# KiCad board motorgo_plink.kicad_pcb (continued)
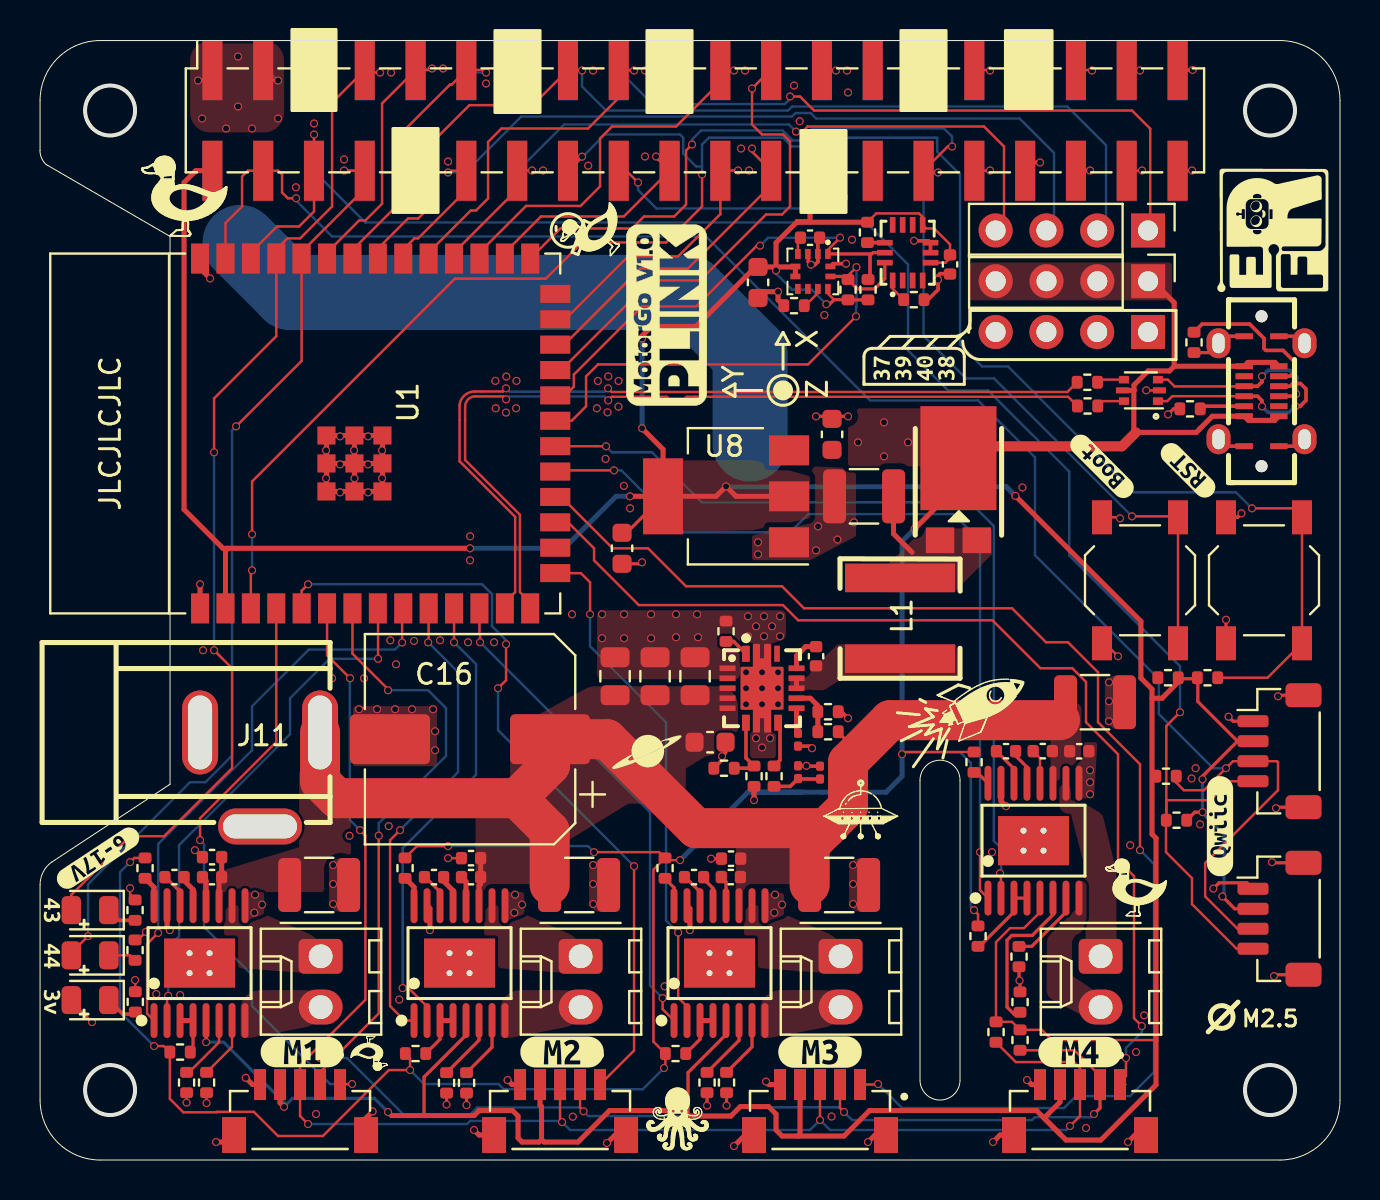
[diagram p0: board, top side]
## Nets
+3.3V: C25.1 C31.1 C32.1 D3.2 J4.2 J4.18 J13.2 J14.4 J15.2 J16.4 J18.4 J20.4 R8.1 R9.1 R30.1 R31.1 R32.1 R33.1 R38.1 R39.1 R50.2 U1.2 U3.5 U4.5 U5.5 U8.2 U9.5 U10.5 U10.6 U10.10 U11.5 U11.8
+5V: C24.1 D4.2 J1.A4 J1.A9 J1.B4 J1.B9 J4.1 J4.3 J7.2 J7.4 J12.1 J12.2 J12.3 J12.4 R10.1 R11.1 R12.1 R13.1 R14.1 R15.1 R36.1 R37.1 U2.5 U8.3
GND: C1.2 C2.2 C4.2 C6.2 C8.2 C10.2 C12.2 C14.2 C15.2 C16.2 C17.2 C18.2 C19.2 C20.2 C23.2 C24.2 C25.2 C27.2 C29.2 C30.1 C31.2 C32.2 J1.1 J1.2 J1.3 J1.4 J1.A1 J1.A12 J1.B1 J1.B12 J2.1 J3.2 J4.5 J4.10 J4.13 J4.19 J4.26 J4.29 J4.33 J4.40 J7.6 J7.9 J7.14 J7.20 J7.25 J7.30 J7.34 J7.39 J9.1 J9.2 J9.3 J9.4 J11.2 J13.1 J14.5 J14.S1 J14.S2 J15.1 J16.5 J16.S1 J16.S2 J18.5 J18.S1 J18.S2 J20.5 J20.S1 J20.S2 R1.2 R2.2 R3.2 R4.1 R5.1 R17.2 R18.2 R25.2 R46.2 R49.2 Rmode1.2 Rmode2.2 Rmode3.2 Rmode4.2 Rp1.2 Rp2.2 Rp3.2 Rp4.2 U1.1 U1.40 U1.41 U2.2 U3.9 U3.15 U3.17 U4.9 U4.15 U4.17 U5.9 U5.15 U5.17 U6.2 U6.3 U6.15 U8.1 U9.9 U9.15 U9.17 U10.2 U10.3 U10.12 U11.6 U11.7
+BATT: C2.1 C3.2 C4.1 C6.1 C7.2 C8.1 C10.1 C11.2 C12.1 C14.1 C15.1 C16.1 C17.1 C19.1 C26.2 C27.1 C29.1 J11.1 R16.1 U3.11 U4.11 U5.11 U6.4 U6.5 U6.6 U9.11
/connectors.enc1.cs: J14.1 U1.4
/connectors.enc2.cs: J16.1 U1.5
/connectors.enc3.cs: J18.1 U1.18
/connectors.enc4.cs: J20.1 U1.17
/connectors.enc_scl: J14.2 J16.2 J18.2 J20.2 R32.2 U1.7
/connectors.enc_sda: J14.3 J16.3 J18.3 J20.3 R33.2 U1.6
/i2c_1.scl: R39.2 U1.22 U10.1 U11.13
/i2c_1.sda: R38.2 U1.21 U10.11 U11.14
/motor_controls1/motor_out1: J8.1 U4.10
/motor_controls1/motor_out2: J8.2 U4.8
/motor_controls2/motor_out1: J6.1 U3.10
/motor_controls2/motor_out2: J6.2 U3.8
/motor_controls3/motor_out1: J10.1 U5.10
/motor_controls3/motor_out2: J10.2 U5.8
/motor_controls4/motor_out1: J22.1 U9.10
/motor_controls4/motor_out2: J22.2 U9.8
boot: J2.2 J4.30 J7.29 R8.2 U1.27
gpio21: J4.23 J7.24 U1.23
gpio35: J4.20 J7.19 U1.28
gpio36: J4.21 J7.22 U1.29
gpio37: J4.14 J5.4 J7.13 U1.30
gpio38: J4.17 J5.1 J7.18 U1.31
gpio39: J4.12 J5.3 J7.11 U1.32
gpio40: J4.15 J5.2 J7.16 U1.33
gpio41: J4.11 J7.12 U1.34
gpio42: J4.9 J7.10 U1.35
gpio43: D2.2 J4.7 J7.8 U1.37
gpio44: D1.2 J4.8 J7.7 U1.36
gpio47: J4.24 J7.23 U1.24
gpio48: J4.22 J7.21 U1.25
m1_EN: U1.9 U4.1
m1_PH: U1.8 U4.2
m2_EN: U1.10 U3.1
m2_PH: U1.11 U3.2
m3_EN: U1.12 U5.1
m3_PH: U1.15 U5.2
m4_EN: U1.19 U9.1
m4_PH: U1.20 U9.2
p26: J4.25 J7.26
p31: J4.32 J7.31
p32: J4.31 J7.32
p33: J4.34 J7.33
p35: J4.36 J7.35
p36: J4.35 J7.36
p37: J4.38 J7.37
p38: J4.37 J7.38
p40: J4.39 J7.40
reset: J3.1 J4.16 J7.15 R9.2 U1.3
scl: J4.6 J7.5 J13.4 J15.4 R31.2 U1.38
sda: J4.4 J7.3 J13.3 J15.3 R30.2 U1.39
usb_d+: R6.1 U1.14
usb_d-: R7.1 U1.13
Net-(C1-Pad1): C1.1 C20.1 R19.2
Net-(C22-Pad1): C22.1 L1.1 U6.11 U6.12
Net-(C23-Pad1): C23.1 D4.1 D4.3 L1.2 R24.1
Net-(D1-K): D1.1 R1.1
Net-(D2-K): D2.1 R2.1
Net-(D3-K): D3.1 R3.1
Net-(J1-CC1): J1.A5 R4.2
Net-(J1-CC2): J1.B5 R5.2
Net-(J1-DN1): J1.A7 J1.B7 U2.3
Net-(J1-DP1): J1.A6 J1.B6 U2.1
Net-(R6-Pad2): R6.2 U2.6
Net-(R7-Pad2): R7.2 U2.4
Net-(U3-CPH): C5.2 U3.13
Net-(U3-CPL): C5.1 U3.14
Net-(U3-IMODE): Rmode1.1 U3.7
Net-(U3-IPROPI): Rp1.1 U3.6
Net-(U3-nFAULT): R10.2 U3.3 U3.4
Net-(U3-PMODE): R11.2 U3.16
Net-(U3-VCP): C3.1 U3.12
Net-(U4-CPH): C9.2 U4.13
Net-(U4-CPL): C9.1 U4.14
Net-(U4-IMODE): Rmode2.1 U4.7
Net-(U4-IPROPI): Rp2.1 U4.6
Net-(U4-nFAULT): R12.2 U4.3 U4.4
Net-(U4-PMODE): R13.2 U4.16
Net-(U4-VCP): C7.1 U4.12
Net-(U5-CPH): C13.2 U5.13
Net-(U5-CPL): C13.1 U5.14
Net-(U5-IMODE): Rmode3.1 U5.7
Net-(U5-IPROPI): Rp3.1 U5.6
Net-(U5-nFAULT): R14.2 U5.3 U5.4
Net-(U5-PMODE): R15.2 U5.16
Net-(U5-VCP): C11.1 U5.12
Net-(U6-BOOT): C22.2 U6.13
Net-(U6-COMP): R19.1 U6.8
Net-(U6-EN): R16.2 R17.1 U6.10
Net-(U6-RT/CLK): R18.1 U6.1
Net-(U6-SS/TR): C18.1 U6.9
Net-(U6-VSENSE): R24.2 R25.1 U6.7
Net-(U9-CPH): C28.2 U9.13
Net-(U9-CPL): C28.1 U9.14
Net-(U9-IMODE): Rmode4.1 U9.7
Net-(U9-IPROPI): Rp4.1 U9.6
Net-(U9-nFAULT): R36.2 U9.3 U9.4
Net-(U9-PMODE): R37.2 U9.16
Net-(U9-VCP): C26.1 U9.12
Net-(U10-C1): C30.2 U10.4
Net-(U10-SD0/SA1): R46.1 U10.9
Net-(U11-CS): R50.1 U11.12
Net-(U11-SDO/SA0): R49.1 U11.1

Pads without a net: J1 A8 B8; J4 27 28; J7 1 17 27 28; J11 3; J13 MP; J15 MP; U1 16 26; U6 14; U10 7 8; U11 2 3 4 9 10 11

## Via types
v1: diameter 0.4, hole 0.3, Top to Bottom, 342 vias

## Routing (per net, layer and track width the routed paths; a pad name or vN(x,y) marks a point on that pad's centre or on a via; arc(x,y) is an arc through that point)
+3.3V: length 274.5
  Top w0.12: U10.6 U10.5 ; J4.18 29.32,49.49 v1(29.9,48.9) ; v1(36.8,44.5) 36.63,44.67 C32.1 ; v1(2.6,6.9) 1.57,7.94 D3.2 ; U10.10 39.4,43.35 39.7,43.04 ; 55.8,6 50.6,6 50.09,6.51 R32.1 48.6,6.91 R33.1 47.8,10.9 48.5,11.6 49.2,11.6 50,12.4 U9.5 ; 41.35,46.93 R50.2 41.82,47.35 43.96,47.35 44.14,47.17 U11.8 44.31,46.6 44.71,46.6 45.5,45.8 45.5,45.11 45.28,44.89 U11.5
  Top w0.16: v1(59.12,13.18) 59.74,12.57 J15.2 ; v1(8.31,5.9) 8.3,5.9 U4.5 ; v1(39.32,42.81) 39.48,42.81 39.7,43.04 40.39,43.04 R38.1 R39.1 ; U5.5 34.3,6.28 32.4,4.38 32.4,2.2 ; C25.1 29.33,31.38 U8.2 ; v1(58.13,19.05) 58.13,19.2 59.88,20.95 ; v1(58.13,17.4) 57.74,17.4 57.34,17 ; 56.94,24.08 57.89,24.08 57.89,22.94 59.88,20.95 ; 59.88,20.95 J13.2 ; 19.2,2.22 19.2,4.16 21.3,6.25 U3.5
  Top w0.25: U8.2 v1(29.5,33.2) ; U8.2 31.15,35.55 v1(30.1,36.6) ; U8.2 33.8,33.2 v1(34.3,33.7) 34.8,33.2 U8.2 ; 9.4,30.6 v1(21.5,30.6) ; 9.4,30.6 9.27,30.47 U1.2 ; 9.4,30.6 9.14,30.6 7.2,32.54 7.2,48.9 7.79,49.49 J4.2 ; 37.86,46.94 38.5,46.94 v1(38.5,47.58) ; 37.86,46.94 36.8,45.88 v1(36.8,44.5) ; 37.86,46.94 37.89,46.91 R50.2 ; v1(48.77,33.22) 55.05,26.95 55.05,24.11 55.6,23.55 55.6,16.3 55.8,16.1 55.8,3.76 53.04,1 51.3,1 51,1.3 ; v1(12.2,2.66) 12,2.86 J14.4 ; U10.6 37.77,44.67 C32.1 35.78,44.67 32.8,41.7 30.58,41.7 30.1,41.22 v1(30.1,41.1) ; 51,1.3 50.2,2.1 51,2.9 J20.4 ; 51,1.3 49.83,2.47 41.48,2.47 40.2,1.2 37.9,1.2 ; 25.08,1.03 25.08,2.67 25,2.75 J16.4 ; 25.08,1.03 24.95,0.9 24.1,0.9 23.9,1.1 23.9,2.2 23.63,2.47 21.95,2.47 21.7,2.22 17.58,2.22 v1(17.4,2.4) ; 25.08,1.03 25.2,0.9 26.9,0.9 28.48,2.47 32.13,2.47 32.4,2.2 34.55,2.2 35.02,2.67 36.43,2.67 36.8,2.3 36.8,1.5 37.1,1.2 37.9,1.2 ; 37.9,1.2 38,1.3 J18.4 ; 55.6,23.1 56.1,23.1 56.91,23.91 R8.1
  In2.Cu w0.12: v1(2.6,6.9) 4.5,6.9 5.22,6.18 8.02,6.18 v1(8.31,5.9)
  Bottom w0.12: v1(39.32,42.81) 38.59,43.54 37.6,43.54 36.8,44.34 v1(36.8,44.5) ; v1(29.9,48.9) 29.9,48.52 30.82,47.6 38.49,47.6 v1(38.5,47.58)
  Bottom w0.16: v1(8.31,5.9) 9.18,5.9 12.2,2.87 v1(12.2,2.66) 12.63,3.09 16.72,3.09 v1(17.4,2.4) ; v1(58.13,19.05) v1(58.13,17.4) 58.13,17.35 59.2,16.28 59.2,13.27 v1(59.12,13.18)
  Bottom w0.25: v1(34.3,33.7) 34.32,33.68 48.31,33.68 v1(48.77,33.22) ; v1(29.5,33.2) 28.8,33.2 26.2,30.6 v1(21.5,30.6) ; v1(30.1,36.6) v1(30.1,41.1)
+5V: length 185.3
  Top w0.12: R11.1 18.84,15.7 v1(20.4,15.7) ; v1(46.7,12.5) 46.9,12.3 R36.1 ; R15.1 31.36,15 v1(32,15) ; R15.1 30.67,14.53 30.67,5.92 31.27,5.33 31.27,4.67 v1(31.2,4.6) ; R15.1 30.96,15.4 v1(27.7,15.4) ; J4.3 11.69,54 v1(11.9,54) ; R13.1 4.71,15.11 v1(4.5,14.9) ; R10.1 18.5,5.09 v1(18.5,4.5) 17.44,4.5 14.14,1.2 11.9,1.2 10.69,2.41 8.84,2.41 8.82,2.39 7.16,2.39 6.49,3.06 R12.1 6.19,5.7 v1(5.7,5.7) ; R37.1 43.21,20.41 v1(43.1,20.3) ; J4.1 8.09,54 v1(7.9,54)
  Top w0.25: v1(43.73,31.57) 45.92,33.77 D4.2 ; 54.7,38.5 U2.5 ; 54.7,38.5 54.7,38.77 55.41,39.47 56.47,39.47 56.71,39.71 ; 54.7,38.5 54.7,38.49 54.7,36.5 54.8,36.4 57.82,36.4 58,36.58 58,36.59 58.62,37.21 J1.A4 60.42,37 61.74,37 J1.B9 ; J1.B4 61.75,39.9 60.41,39.9 J1.A9 56.71,39.71 ; 56.71,39.71 56.71,42.89 56.06,43.54 55.41,43.54 ; v1(35.7,18) 35.7,18.69
  Top w0.5: 46.4,35.31 46.79,35.7 54.1,35.7 54.8,36.4
  Bottom w0.12: J7.4 11.4,54.5 v1(11.9,54) ; v1(27.7,15.4) 27.4,15.7 v1(20.4,15.7) ; 8.61,54.52 8.09,54 v1(7.9,54) ; v1(4.5,14.9) 4,14.4 4,7.4 v1(5.7,5.7) ; v1(18.5,4.5) 19.2,3.8 22.93,3.8 23.19,3.54 30.14,3.54 v1(31.2,4.6) ; v1(43.1,20.3) 43.2,20.4 46,20.4 46.54,19.86 46.54,12.66 v1(46.7,12.5)
  Bottom w0.25: v1(35.7,18) 35.7,18.4 38.1,18.4 ; 38.1,18.4 42.3,18.4 43.1,19.2 v1(43.1,20.3) 43.1,30.95 v1(43.73,31.57) ; 38.1,18.4 35.4,18.4 v1(32,15)
  Bottom w3.75: 35.5,35.8 35.5,40.3 32.43,43.38 30.26,43.38 30.24,43.4 12.5,43.4 10,45.9
  vias: v1(8.1,52.1) v1(9.3,51.6) v1(9.9,55.2) v1(9.9,52.7) v1(10.6,51.6) v1(11.9,52.1) v1(40.9,35.9) v1(42.2,36.9) v1(42.2,35.2) v1(43.4,35.9)
GND: length 100.2
  Top w0.12: J4.40 57.59,49.49 v1(57.6,49.5) ; v1(24.6,54.5) 24.58,54.53 J4.13 ; v1(4.75,9) 4.77,8.99 R3.2 ; v1(7.74,15.5) 8.1,15.15 C8.2 ; v1(19,51.2) 19,49.71 J4.10 ; v1(45,54.4) 44.31,54.4 J4.29 ; v1(53.9,25.2) 53.25,25.85 J2.1 ; U2.2 55.32,38.5 v1(55.32,38.5) ; v1(4.5,13.6) 4.5,13.26 R2.2 ; v1(14.5,54.5) 14.48,54.53 J4.5 ; C4.2 v1(20.4,15.1) ; Rmode2.2 v1(8.33,2.85) ; v1(50,54.5) 49.98,54.53 J4.33 ; J2.1 53.95,32.15 v1(54,32.1) ; J4.19 32.18,54.53 v1(32.2,54.5) ; v1(5.29,11.41) 4.89,11.01 R1.2 ; v1(7.33,2.88) Rp2.2
  Top w0.16: v1(60.08,32.35) 59.88,32.15 J3.2 ; J3.2 v1(59.3,27.03) ; v1(61.6,14.9) 61.64,14.87 63.18,14.87 ; v1(61.7,9.2) 61.77,9.27 63.18,9.27 ; C12.2 v1(33.55,15.08) ; v1(56.4,37.3) 56.68,37.58 R4.1 ; J15.1 60.35,13.87 58.96,13.87 v1(58.67,13.58) ; 49,8.31 49,8.95 v1(48.98,8.97) 48.95,9 Rmode4.2 ; 63.18,17.65 61.85,17.65 v1(61.8,17.6) ; C25.2 30.03,29.83 v1(30.1,29.9) ; v1(40.4,37.2) 39.83,37.2 39.6,36.97 39.38,37.2 v1(38.8,37.2) ; v1(40.2,48.15) 39.1,48.15 J4.26 ; R5.1 58.46,40.39 J1.3 ; v1(20.33,2.78) Rp1.2 ; v1(59.43,22.17) 59.65,21.95 J13.1 ; 63.18,23.25 61.95,23.25 v1(61.9,23.2) ; v1(21.33,2.75) Rmode1.2 ; Rp3.2 v1(33.35,2.72) ; Rmode3.2 v1(34.33,2.72)
  Top w0.18: J1.A12 59.28,41.21 J1.3 ; R25.2 34.1,20.01 v1(34.1,20.2) 34.28,20.38 C17.2 ; 45.66,44.31 45.63,44.34 45,44.34 44.9,44.24 v1(44.9,44.04) 44.9,43.54 44.4,43.04 R49.2 ; v1(40.4,22.1) 40.08,22.42 R17.2 ; J1.1 59.28,35.71 J1.A1 ; C20.2 v1(38.32,19.72) 38.34,19.7 C1.2 ; C18.2 38.5,20.7 v1(38.6,20.6) ; C30.1 38.9,46.05 U10.2 38.9,44.93 38.75,44.79 v1(38.55,44.79) 38.41,44.93 38.41,45.31 U10.3 ; U10.12 39.66,44.84 v1(40.3,44.84) ; 37.2,42.84 37.2,42.75 R46.2 ; J1.B12 62.88,35.71 J1.2 ; v1(43.7,45.98) 44.43,45.98 U11.7 U11.6 ; J1.B1 62.88,41.21 J1.4
  Top w0.25: J16.S2 21.95,1.25 v1(21.7,1.5) ; U1.41 U1.41 U1.41 ; U1.41 U1.41 U1.41 U1.41 ; U1.41 U1.41 U1.41 ; J14.5 10.63,3.78 v1(10.29,4.11) ; J18.S1 41.75,1.25 v1(41.4,0.9) ; v1(28.35,0.85) 28.75,1.25 J16.S1 ; J20.S2 48,1.25 v1(47.65,0.9) ; J20.5 49.58,3.78 v1(49.35,4) ; J14.S1 16.3,2.1 v1(16.63,2.43) ; U5.15 32.5,12.58 v1(32.5,11.5) ; v1(6.49,11.5) 6.35,11.64 U4.15 ; v1(36.3,3.92) 36.45,3.78 J18.5 ; v1(8.8,0.9) 9.35,0.9 J14.S2 ; v1(54.4,0.9) 54.75,1.25 J20.S1 ; v1(23.38,4) 23.6,3.78 J16.5 ; U9.15 48.05,17.95 v1(48.3,17.7) ; v1(8.5,44.1) 8,44.6 U1.40 ; v1(19.5,11.5) 19.5,12.58 U3.15 ; R46.2 36.9,43.03 v1(36.9,43.44) 36.22,43.44 C32.2 ; J18.S2 35.25,1.25 v1(34.7,0.7) ; U1.1 v1(8,28.8) ; U1.41 U1.41
  Bottom w0.12: v1(50,54.5) 49.98,54.52 49.25,54.52 ; J7.30 44.9,54.5 v1(45,54.4) ; 56.87,49.48 57.58,49.48 v1(57.6,49.5) ; 39.09,49.48 39.11,49.5 39.9,49.5 ; 31.47,54.52 32.18,54.52 v1(32.2,54.5) ; v1(14.5,54.5) J7.6 ; 18.77,49.48 19,49.71 v1(19,51.2) ; v1(24.6,54.5) 24.58,54.52 23.85,54.52
  vias: v1(5.81,8.3) v1(7.01,8.25) v1(8.15,25.5) v1(10.75,13.28) v1(10.72,12.38) v1(11.1,12.78) v1(12.8,48.66) v1(13.7,51.85) v1(13.8,2.3) v1(14,5.1) v1(14.3,35.5) v1(14.3,34.1) v1(14.6,24.1) v1(14.66,14.76) v1(14.66,13.81) v1(14.66,12.81) v1(15,36.2) v1(15,34.8) v1(15,33.4) v1(15.2,50.05) v1(15.47,16.22) v1(15.7,35.5) v1(15.72,34.1) v1(15.95,22.55) v1(16.2,24.1) v1(16.4,36.2) v1(16.4,34.8) v1(16.4,33.4) v1(16.85,22.55) v1(17.1,35.5) v1(17.1,34.1) v1(17.44,16.7) v1(17.52,26) v1(17.55,54.4) v1(17.75,22.55) v1(17.8,24.8) v1(17.96,8.02) v1(18.6,22.55) v1(18.7,25.97) v1(19.65,22.55) v1(19.75,21.45) v1(19.75,20.5) v1(20,26) v1(20.15,54.6) v1(20.4,49.95) v1(21.4,25.9) v1(21.51,31.2) v1(21.5,30) v1(22.3,53.85) v1(22.7,25.9) v1(22.77,38.98) v1(22.79,37.61) v1(23.32,39.19) v1(23.3,37.39) v1(23.75,13.28) v1(23.72,12.38) v1(23.82,38.98) v1(23.81,37.61) v1(24.1,12.78) v1(25.15,49.5) v1(26.6,27.3) v1(26.64,2.17) v1(27.41,49.74) v1(27.65,54.5) v1(27.66,14.76) v1(27.66,13.81) v1(27.66,12.81) v1(27.85,37.6) v1(27.9,38.97) v1(28.1,27.3) v1(28.1,26.1) v1(28.28,35.07) v1(28.42,39.2) v1(28.38,37.4) v1(28.93,38.97) v1(28.92,37.69) v1(29.2,33.72) v1(29.2,27.3) v1(29.2,26.1) v1(29.55,41.1) v1(29.5,32.6) v1(30.25,50.2) v1(30.25,54.5) v1(30.55,27.3) v1(30.55,26.1) v1(30.65,41.1) v1(31.23,8.69) v1(31.8,27.3) v1(31.8,26.15) v1(32.85,27.3) v1(32.9,26.15) v1(35.05,50.6) v1(35.25,54.5) v1(35.3,24.4) v1(35.3,23.6) v1(35.3,22.8) v1(35.4,27.2) v1(35.4,26.2) v1(35.45,49.5) v1(35.8,26.7) v1(35.8,21.1) v1(35.9,30.9) v1(35.9,30.3) v1(36.1,24.4) v1(36.1,23.6) v1(36.1,22.8) v1(36.1,20.64) v1(36.2,27.2) v1(36.2,26.2) v1(36.5,21.1) v1(36.6,26.7) v1(36.75,13.28) v1(36.72,12.38) v1(36.9,24.4) v1(36.9,23.6) v1(36.9,22.8) v1(37,27.2) v1(37,26.2) v1(37.1,12.78) v1(37.7,53.75) v1(37.99,51.96) v1(38.8,30.5) v1(38.9,31.7) v1(39.22,42.27) v1(39.58,2.18) v1(39.88,31.04) v1(40.35,54.5) v1(40.4,53.4) v1(40.6,46.04) v1(40.7,31.9) v1(40.66,14.76) v1(40.66,13.81) v1(40.66,12.81) v1(47.6,15.4) v1(49.13,33.64) v1(52.3,1.6) v1(52.5,19.5) v1(52.5,18.9) v1(52.5,18.3) v1(53.45,23.9) v1(53.45,22.95) v1(53.45,21.95) v1(54.51,15.75) v1(54.8,5.4) v1(55.21,7.24) v1(57.58,19.09) v1(57.78,19.6) v1(58.01,16.79)
+BATT: length 61.6
  Top w0.16: R16.1 39.91,21.39 40.9,20.4
  Top w0.25: C4.1 22.03,13.81 21.95,13.72 U3.11 ; 8.93,14.15 8.95,14.13 U4.11 ; C8.1 C7.2
  Top w2: 23.85,18.1 14.85,18.1 14,18.94 J11.1 ; 23.85,18.1 25.5,19.75 C16.1 28.35,21.05 32.8,16.6 39.31,16.6 ; 23.85,18.1 25.48,16.47 C6.1 ; 39.31,16.6 40.4,17.69 40.4,19.9 42.5,22 51,22 ; 39.31,16.6 38.48,15.77 C14.1
/connectors.enc1.cs: length 29.8
  Top w0.12: v1(8,16) 8,17.1 11.81,20.91 U1.4 ; v1(15.6,3.8) 15.03,3.8 J14.1
  Bottom w0.12: v1(8,16) 8.2,15.8 8.2,11.66 10.6,9.26 10.6,7.7 14.5,3.8 v1(15.6,3.8)
/connectors.enc2.cs: length 39.2
  Top w0.12: v1(29.7,14.7) 29.7,5.47 J16.1 ; v1(22.9,23.6) 23.3,24 v1(23.3,25.8) ; v1(13.4,28.8) 13.08,28.48 U1.5
  Bottom w0.12: v1(22.9,23.6) 22.9,21.5 v1(29.7,14.7) ; v1(13.4,28.8) 22.1,28.8 22.6,28.3 22.6,26.7 23.3,26 v1(23.3,25.8)
/connectors.enc3.cs: length 67.9
  Top w0.12: J18.1 41.88,3.78 v1(41.9,3.8) ; v1(55,15.5) 55,19.8 52.9,21.9 52.9,24.4 51.4,25.9 50.3,25.9 48.6,27.6 38.2,27.6 37.1,28.7 32.3,28.7 30.4,30.6 28.63,30.6 26.06,33.17 U1.18
  Bottom w0.12: v1(55,15.5) 55.7,14.8 55.7,4.4 54.5,3.2 51.8,3.2 51.2,2.6 43.1,2.6 v1(41.9,3.8)
/connectors.enc4.cs: length 52.2
  Top w0.12: v1(54.3,5.1) 54.3,4.2 54,3.9 J20.1 54.28,3.78 ; U1.17 26.41,31.9 27.7,30.6 27.7,30 29.94,27.76 37.15,27.76 37.91,27 47.62,27 50.02,24.6 51.62,24.6 52.3,23.92 52.3,21.9 53.9,20.3 53.9,15 54.7,14.2 54.7,7.09 v1(55.1,6.7)
  Bottom w0.12: v1(55.1,6.7) 55.1,6.39 54.3,5.6 v1(54.3,5.1)
/connectors.enc_scl: length 79
  Top w0.12: R32.2 51.72,5.49 53,4.21 J20.2 ; v1(27.18,2.44) 27,2.61 J16.2 ; U1.7 15.62,25.33 17.4,23.55 v1(17.4,23.5) ; J18.2 40,2.6 v1(40.2,2.4) ; J14.2 14,4.4 v1(14.7,5.1) 16.94,7.34 v1(16.94,16.23)
  Top w0.16: v1(52.7,2.3) 53,2.6 J20.2
  Bottom w0.12: v1(17.4,23.5) 19.4,23.5 20.3,22.6 20.3,20.22 16.94,16.85 v1(16.94,16.23) ; v1(52.7,2.3) 52.54,2.14 49.74,2.14 49.6,2 40.6,2 v1(40.2,2.4) 39.97,2.64 34.89,2.64 34.45,2.2 27.41,2.2 v1(27.18,2.44) 26.99,2.63 21.86,2.63 21.52,2.29 18.16,2.29 15.35,5.1 v1(14.7,5.1)
/connectors.enc_sda: length 78.5
  Top w0.12: U1.6 14.35,25.25 v1(15.5,24.1) ; v1(51.5,1.7) 52,2.2 J20.3 52,4.6 51.7,4.9 48.79,4.9 R33.2 ; J16.3 26,2 v1(26.1,1.9) ; v1(16,16.5) 16.27,16.24 16.27,8.01 13,4.75 J14.3 13,2.2 v1(13.4,1.8) ; v1(39,2) J18.3
  Bottom w0.12: v1(15.5,24.1) 15.49,24.09 15.49,17.01 v1(16,16.5) ; v1(51.5,1.7) 51.3,1.5 39.5,1.5 v1(39,2) 38.5,1.5 26.5,1.5 v1(26.1,1.9) 26.04,1.96 21.51,1.96 21.35,1.8 v1(13.4,1.8)
/i2c_1.scl: length 24.2
  Top w0.12: U10.1 39.4,45.53 v1(40,46.14) ; v1(36,45.74) 35.84,45.74 32.8,42.7 30.1,42.7 26.69,39.29 26.69,38.69 26.25,38.25 U1.22
  Top w0.16: 41.5,44.15 41.5,45.32 U10.1 ; 41.5,44.15 41.5,45.24 41.65,45.39 U11.13 ; 41.5,44.15 R39.2
  Bottom w0.12: v1(40,46.14) 36.4,46.14 v1(36,45.74)
/i2c_1.sda: length 25.3
  Top w0.12: R38.2 40.4,44.24 v1(40.83,44.66) ; U1.21 26.58,36.98 27.3,37.7 27.3,39.2 27.9,39.8 38.4,39.8 v1(40.8,42.2)
  Top w0.16: U11.14 42.24,44.09 41.73,43.58 40.87,43.58 R38.2 40.25,44.2 U10.11
  Bottom w0.12: v1(40.83,44.66) 40.83,42.68 40.8,42.66 v1(40.8,42.2)
/motor_controls1/motor_out1: length 0.1
  Top w0.25: J8.1 14.03,10.07
boot: length 61.1
  Top w0.12: v1(45.6,50.7) 45.39,50.7 J4.30 ; v1(32.6,50.8) 32.3,50.5 32.3,47.79 31.71,47.2 30.2,47.2 29.6,46.6 26.02,46.6 U1.27 ; J2.2 J2.2 56.85,32.2 v1(54.6,32.2)
  Top w0.18: J4.30 44.27,49.4 v1(44.9,49.4)
  Bottom w0.12: v1(32.6,50.8) 32.6,51.05 33.05,51.5 37.13,51.5 37.63,51 38.02,51 38.62,51.6 45.2,51.6 45.6,51.2 v1(45.6,50.7) ; v1(54.6,32.2) 47.7,39.1 46.3,39.1 44.18,41.22 J7.29
  Bottom w0.18: 44.17,49.48 44.25,49.4 v1(44.9,49.4)
gpio21: length 25.1
  Top w0.12: J4.23 36.53,54.53 v1(35.6,53.6) 35.6,51.8 36.1,51.3 37.16,51.3 37.5,50.95 37.5,47.7 37.1,47.3 36.3,47.3 33,44 30.55,44 26.06,39.52 25.76,39.52
  Bottom w0.12: v1(35.6,53.6) 36.5,54.5 J7.24
gpio35: length 12.2
  Top w0.12: U1.28 23.24,45.39 25.05,47.2 29.19,47.2 J4.20 30.8,50.16 v1(30.8,50.2)
  Bottom w0.12: v1(30.8,50.2) 30.8,50.14 J7.19
gpio36: length 19.3
  Top w0.12: U1.29 21.97,45.39 24.31,47.73 27.03,47.73 28,48.7 28,51.1 28.6,51.7 31.8,51.7 34.02,53.91 J4.21 34.68,54.53 v1(34.7,54.5)
  Bottom w0.12: v1(34.7,54.5) J7.22
gpio37: length 38.4
  Top w0.12: v1(24.6,49.5) 24.59,49.49 J4.14 23.86,48.55 20.7,45.39 U1.30 ; v1(37.8,51.45) 38.13,51.45 38.38,51.7 47.2,51.7 48.2,50.7 48.2,46.92 J5.4 47.78,46.1
  Bottom w0.12: 47.78,46.1 J5.4 ; v1(24.6,49.5) 23.9,49.5 J7.13 26.2,51.8 37.45,51.8 v1(37.8,51.45)
gpio38: length 51.3
  Top w0.12: v1(29.7,54.5) 29.68,54.53 J4.17 28.94,53.13 27.4,51.6 23.08,51.6 22.4,50.93 22.4,48.1 21.8,47.5 21.54,47.5 19.43,45.39 U1.31 ; v1(37.5,53.2) 38,53.2 38.7,52.5 54.6,52.5 55.51,51.59 55.51,46.61 J5.1 55.4,46.1
  Bottom w0.12: v1(29.7,54.5) J7.18 30.62,52.82 37.24,52.82 37.5,53.08 v1(37.5,53.2)
gpio39: length 43.6
  Top w0.12: U1.32 18.16,45.54 18.72,46.1 18.91,46.1 21.32,48.51 J4.12 20.49,49.49 v1(20.4,49.4)
  Bottom w0.12: v1(20.4,49.4) 21.26,49.4 J7.11 24.06,52.2 37.6,52.2 37.78,52.37 38.53,52.37 38.8,52.1 48.98,52.1 50.7,50.38 50.7,46.48 50.32,46.1
gpio40: length 50.2
  Top w0.12: U1.33 16.89,45.59 18.4,47.1 18.91,47.1 19.6,47.79 19.6,50.9 21.47,52.77 24.64,52.77 J4.15 27.08,54.53 v1(27.1,54.5)
  Bottom w0.12: J7.16 v1(27.1,54.5) 27.1,53.7 28.3,52.5 37.4,52.5 37.6,52.7 51.36,52.7 53.3,50.76 53.3,46.94 J5.2 52.86,46.1
gpio41: length 13.9
  Top w0.12: U1.34 15.62,45.52 18.02,47.91 18.02,51.31 20.5,53.8 20.59,53.8 J4.11 22.18,54.53 v1(22.3,54.4)
  Bottom w0.12: J7.12 21.42,54.4 v1(22.3,54.4)
gpio42: length 13.2
  Top w0.12: U1.35 14.35,45.39 15.96,47 16.27,47 17.1,47.83 17.1,52.85 J4.9 19.53,54.53 v1(19.6,54.6)
  Bottom w0.12: v1(19.6,54.6) 18.88,54.6 J7.10
gpio43: length 51.8
  Top w0.12: v1(8.7,25.5) 9.6,24.6 9.6,19.6 6.2,16.2 4.5,16.2 1.57,13.26 D2.2 ; v1(17,54.4) 16.37,54.4 J4.7 14.6,52.89 14.6,47.7 13.01,46.1 12.37,46.1 11.81,45.54 U1.37 11.81,41.21 8.7,38.1 v1(8.7,35.4)
  Bottom w0.12: J7.8 16.34,54.4 v1(17,54.4) ; v1(8.7,25.5) v1(8.7,35.4)
gpio44: length 47.9
  Top w0.12: v1(9.8,36.7) 13.08,39.98 U1.36 13.08,45.43 16.24,48.58 J4.8 15.22,49.49 v1(15.2,49.5) ; 1.57,10.36 v1(2.4,11.2)
  Top w0.16: D1.2 1.57,10.36
  Bottom w0.12: J7.7 16.2,49.5 v1(15.2,49.5) ; v1(2.4,11.2) 2.4,13.8 7.5,18.9 8.27,18.9 9.6,20.23 9.6,36.5 v1(9.8,36.7)
gpio47: length 17.9
  Top w0.12: v1(35.6,50.6) 35.6,50.44 J4.24 36.56,48.75 32.4,44.6 30.03,44.6 26.21,40.79 U1.24
  Bottom w0.12: J7.23 35.6,50.42 v1(35.6,50.6)
gpio48: length 14.4
  Top w0.12: v1(34.9,49.5) 34.03,49.5 J4.22 34.02,47.31 31.9,45.2 29.4,45.2 26.26,42.06 U1.25
  Bottom w0.12: J7.21 34.06,49.5 v1(34.9,49.5)
m1_EN: length 28.6
  Top w0.12: U1.9 18.11,27.54 v1(18.11,25.89) ; U4.1 5.35,7.33 5.35,10.81 v1(5.91,11.36)
  Bottom w0.12: v1(18.11,25.89) 17.75,25.54 13.44,25.54 10.6,22.7 10.6,20.5 5.91,15.8 v1(5.91,11.36)
m1_PH: length 26.4
  Top w0.12: U4.2 6.35,8.16 v1(6.41,8.21) ; v1(16.9,25.08) 16.9,27.58 U1.8
  Bottom w0.12: v1(16.9,25.08) 14.48,25.08 12.5,23.1 12.5,21.3 6.95,15.75 6.95,11.19 6.41,10.65 v1(6.41,8.21)
m2_EN: length 23.4
  Top w0.12: U3.1 18.23,6.98 17.5,7.7 17.5,16 v1(18,16.5) ; U1.10 19.43,25.92 v1(19.41,25.9)
  Bottom w0.12: v1(19.41,25.9) 20.9,24.41 20.9,19.4 v1(18,16.5)
m2_PH: length 23.3
  Top w0.12: U3.2 19.35,7.68 18.43,8.6 v1(18.13,8.6) ; v1(20.7,25.9) U1.11
  Bottom w0.12: v1(20.7,25.9) 21.8,24.8 21.8,19.27 18.13,15.6 v1(18.13,8.6)
m3_EN: length 24.6
  Top w0.12: v1(22,25.9) 22,26.3 21.97,26.33 U1.12 ; U5.1 31.13,7.55 v1(31.13,8.1)
  Bottom w0.12: v1(31.13,8.1) 30.5,8.73 30.5,17.4 v1(22,25.9)
m3_PH: length 25.9
  Top w0.12: U1.15 27.05,29.36 27.5,28.9 v1(27.5,27.3) ; U5.2 32.35,7.68 31.91,8.12 v1(31.91,11.38)
  Bottom w0.12: v1(31.91,11.38) 31.3,11.99 31.3,21.9 27.5,25.7 v1(27.5,27.3)
m4_EN: length 41.5
  Top w0.12: U9.1 47,13.5 v1(47,15.4) ; U1.19 25.83,34.5 v1(28.7,34.5)
  Bottom w0.12: v1(28.7,34.5) 29.07,34.5 32.17,31.4 37.5,31.4 38.41,32.31 45.67,32.31 47,30.98 v1(47,15.4)
m4_PH: length 42.4
  Top w0.12: v1(28.3,35.7) 28.3,35.71 U1.20 ; U9.2 48.05,14.3 v1(48,14.34)
  Bottom w0.12: v1(28.3,35.7) 28.6,35.4 30.6,35.4 33.1,32.9 46.5,32.9 47.69,31.71 47.69,15.96 48.06,15.59 48.06,14.4 v1(48,14.34)
p26: length 1.4
  Top w0.12: v1(39.8,54.5) 39.78,54.53 J4.25
  Bottom w0.12: 39.09,54.52 39.78,54.52 v1(39.8,54.5)
p31: length 1.6
  Top w0.12: v1(47.5,49.5) 47.49,49.49 J4.32
  Bottom w0.12: v1(47.5,49.5) 46.73,49.5 46.71,49.48
p32: length 1.6
  Top w0.12: v1(47.5,54.5) 47.48,54.53 J4.31
  Bottom w0.12: 46.71,54.52 47.48,54.52 v1(47.5,54.5)
p33: length 1.8
  Top w0.18: v1(50,49.9) 49.67,49.9 J4.34
  Bottom w0.18: v1(50,49.9) 49.67,49.9 49.25,49.48
p35: length 1.4
  Top w0.12: v1(52.5,49.5) 52.49,49.49 J4.36
  Bottom w0.12: v1(52.5,49.5) 51.81,49.5 51.79,49.48
p36: length 1.6
  Top w0.12: J4.35 52.58,54.53 v1(52.6,54.5)
  Bottom w0.12: v1(52.6,54.5) 52.58,54.52 51.79,54.52
p37: length 1.5
  Top w0.12: v1(55.1,49.5) 55.09,49.49 J4.38
  Bottom w0.12: v1(55.1,49.5) 55.08,49.48 54.33,49.48
p38: length 1.4
  Top w0.12: J4.37 54.98,54.53 v1(55,54.5)
  Bottom w0.12: 54.33,54.52 54.98,54.52 v1(55,54.5)
p40: length 1.5
  Top w0.18: v1(57.63,54.53) J4.39
  Bottom w0.18: 56.87,54.52 56.88,54.53 v1(57.63,54.53)
reset: length 102.3
  Top w0.12: U1.3 10.54,29.44 v1(10.6,29.5) ; v1(60.6,32.6) 62.65,32.6 J3.1 J3.1 61.38,24.12 R9.2 ; v1(10.6,31.3) 10.6,33.94 20.74,44.08 25.29,44.08 27.1,45.9 31.3,45.9 33.1,47.7 v1(33.1,49.3)
  Top w0.16: v1(27.1,50.19) J4.16
  Bottom w0.12: 33.1,49.7 33.1,50.8 33.44,51.14 37.15,51.14 37.59,50.7 38.06,50.7 38.5,51.14 44.86,51.14 44.86,50.44 46,49.3 46,40.8 47.1,39.7 48.4,39.7 54.7,33.4 59.8,33.4 v1(60.6,32.6) ; 33.1,49.7 v1(33.1,49.3) ; 33.1,49.7 32.8,49.7 32.16,50.34 32.16,51.14 32,51.3 28.24,51.3 J7.15 ; v1(10.6,31.3) v1(10.6,29.5)
scl: length 91
  Top w0.12: v1(57,22.4) 56.32,21.72 R31.2 ; R31.2 56.32,18 58.53,18 59.48,18.95 J13.4 ; R31.2 56.3,16.98 56.3,15.4 57.6,14.1 57.6,12.8 59.84,10.57 J15.4 ; U1.38 10.54,45.39 11.85,46.7 12.95,46.7 13.7,47.45 v1(13.7,51.3)
  Bottom w0.12: J7.5 16.26,46.9 41.3,46.9 43.4,44.8 43.4,40.5 45.4,38.5 47.4,38.5 51.47,34.44 51.47,30.24 57,24.7 v1(57,22.4) ; 13.69,49.48 13.69,51.29 v1(13.7,51.3)
sda: length 88.1
  Top w0.12: R30.2 56.81,18.88 57.19,18.5 58.2,18.5 v1(59.3,19.6) 59.65,19.95 J13.3 61.85,19.95 61.9,19.9 61.9,18.5 58.26,14.86 58.26,13.19 59.88,11.57 J15.3 ; U1.39 9.27,46.87 10.1,47.7 10.1,49.2 10.39,49.49 J4.4 ; 11.16,49.47 J4.4 ; J4.4 11.92,49.49 12.1,49.3 12.1,48.4 12.39,48.11 v1(12.81,48.11)
  Bottom w0.12: v1(12.81,48.11) 12.81,48 14.6,46.2 33.3,46.2 41.5,38 46.9,38 49.75,35.15 49.75,30.25 55.94,24.06 55.94,22.31 58.65,19.6 v1(59.3,19.6)
usb_d+: length 43.3
  Top w0.12: U1.14 24.51,27.89 24,28.41 24,32.27 21.26,35.02 21.26,37.69 arc(21.38,38.03) 21.7,38.2 23.15,38.2 arc(23.26,38.16) v1(23.3,38.05) ; R6.1 51.41,38.18 32.39,38.18 arc(32.26,38.13) 32.21,38 arc(32.15,37.87) 32.03,37.82 31.65,37.82 arc(31.52,37.87) 31.47,38 arc(31.41,38.13) 31.29,38.18 28.59,38.18 v1(28.41,38)
  Bottom w0.12: v1(23.3,38.05) 23.45,38.2 28.22,38.2 v1(28.41,38)
usb_d-: length 43.3
  Top w0.12: v1(23.3,38.6) 23.15,38.44 21.73,38.44 arc(21.23,38.25) 20.98,37.77 20.98,34.96 23.76,32.18 23.76,28.41 23.24,27.89 U1.13 ; v1(28.4,38.6) 28.58,38.42 51.37,38.42 R7.1
  Bottom w0.12: v1(28.4,38.6) 28.24,38.44 23.47,38.44 v1(23.3,38.6)
Net-(C1-Pad1): length 2.5
  Top w0.18: C1.1 37.92,19.06 C20.1 37.51,18.69 R19.2
Net-(C22-Pad1): length 0.5
  Top w0.25: U6.11 U6.12
Net-(C23-Pad1): length 3.2
  Top w0.25: 43.6,30.4 42.68,31.33 42.68,33.2
Net-(D1-K): length 1.4
  Top w0.12: R1.1 4.5,10.24 D1.1
Net-(D2-K): length 1.5
  Top w0.18: R2.1 3.95,11.99 D2.1
Net-(D3-K): length 1.7
  Top w0.18: R3.1 4.66,7.3 4.14,7.3 D3.1
Net-(J1-CC1): length 2.3
  Top w0.18: J1.A5 58.15,37.71 R4.2
Net-(J1-CC2): length 7.6
  Top w0.18: R5.2 58.11,41.82 60.49,41.82 61.2,41.1 61.2,40.6 61.3,40.5 62.16,40.5 62.7,39.95 62.7,39.4 62.51,39.21 J1.B5
Net-(J1-DN1): length 9.5
  Top w0.12: U2.3 56.39,39.04 56.73,38.7 60.21,38.7 J1.A7
  Top w0.18: J1.B7 62.67,38.21 62.84,38.38 ; J1.A7 60.88,38.71 61.1,38.93 v1(61.1,39.2)
  Bottom w0.18: v1(61.1,39.2) 61.4,39.5 62.5,39.5 62.84,39.16 62.84,38.35 v1(62.81,38.32)
Net-(J1-DP1): length 10.4
  Top w0.12: J1.A6 56.61,38.21 56.37,37.96 U2.1
  Top w0.18: J1.B6 62.51,38.71 62.65,38.84 63.03,38.84 63.3,38.57 63.3,38 63,37.7 62.75,37.7 ; J1.A6 60.88,38.21 61.1,37.98 v1(61.1,37.7)
  Bottom w0.18: v1(61.1,37.7) 61.4,37.4 62.45,37.4 62.75,37.7 v1(62.78,37.7)
Net-(R6-Pad2): length 1.4
  Top w0.12: U2.6 53.13,37.96 R6.2
Net-(R7-Pad2): length 1.4
  Top w0.12: R7.2 53.01,39.04 U2.4
Net-(U3-CPH): length 1.6
  Top w0.25: C5.2 20.18,13.95 20.65,13.48 U3.13
Net-(U3-CPL): length 1.8
  Top w0.16: C5.1 19.27,14.15 20,13.41 U3.14
Net-(U3-IMODE): length 3.1
  Top w0.16: Rmode1.1 22.6,5.64 U3.7
Net-(U3-IPROPI): length 3.3
  Top w0.16: U3.6 21.95,5.99 Rp1.1
Net-(U3-nFAULT): length 2.6
  Top w0.16: R10.2 20,6.04 U3.3
  Top w0.25: U3.4 U3.3
Net-(U3-PMODE): length 1.6
  Top w0.25: R11.2 18.26,14.09 18.7,13.65 U3.16
Net-(U3-VCP): length 1.5
  Top w0.25: U3.12 21.3,13.92 C3.1
Net-(U4-CPH): length 1.7
  Top w0.25: U4.13 7.65,13.53 7.03,14.15
Net-(U4-CPL): length 1.8
  Top w0.16: U4.14 7,13.43 6.28,14.15 C9.1
Net-(U4-IMODE): length 3.1
  Top w0.12: U4.7 9.6,5.66 Rmode2.1
Net-(U4-IPROPI): length 3.3
  Top w0.12: Rp2.1 7.45,4.39 8.95,5.89 U4.6
Net-(U4-nFAULT): length 2.3
  Top w0.16: 7.65,5.54 U4.4
  Top w0.25: R12.2 7.65,5.54 ; U4.3 U4.4
Net-(U4-PMODE): length 1.6
  Top w0.25: R13.2 5.7,13.64 U4.16
Net-(U4-VCP): length 1.7
  Top w0.25: 7.97,14.15 C7.1 8.3,13.97 U4.12
Net-(U5-CPH): length 1.6
  Top w0.16: U5.13 33.65,13.6 33.18,14.06 C13.2
Net-(U5-CPL): length 1.8
  Top w0.16: C13.1 32.22,14.06 32.36,14.06 33,13.41 U5.14
Net-(U5-IMODE): length 3.1
  Top w0.16: U5.7 35.6,5.66 Rmode3.1
Net-(U5-IPROPI): length 3.3
  Top w0.16: U5.6 34.95,5.98 Rp3.1
Net-(U5-nFAULT): length 2.6
  Top w0.16: U5.3 33,6.04 R14.2
  Top w0.25: U5.4 U5.3
Net-(U5-PMODE): length 1.6
  Top w0.16: R15.2 31.25,14.08 31.7,13.63 U5.16
Net-(U5-VCP): length 1.5
  Top w0.16: C11.1 34.3,13.92 U5.12
Net-(U6-BOOT): length 1.8
  Top w0.25: C22.2 38.28,25.68 37.83,25.22 U6.13
Net-(U6-COMP): length 2.3
  Top w0.18: R19.1 37,20.01 37,21.78 U6.8
Net-(U6-EN): length 2.5
  Top w0.25: R16.2 38.89,22.72 38.52,23.1 U6.10
Net-(U6-RT/CLK): length 1.2
  Top w0.18: R18.1 34.68,25.94 U6.1
Net-(U6-SS/TR): length 1.3
  Top w0.25: C18.1 37.83,21.42 U6.9
Net-(U6-VSENSE): length 3.4
  Top w0.18: U6.7 35.3,20.11 R24.2 35.59,19.6 R25.1
Net-(U9-CPH): length 1.8
  Top w0.16: U9.13 49.35,19.65 48.78,20.22 C28.2
Net-(U9-CPL): length 2
  Top w0.16: C28.1 48.7,19.57 U9.14
Net-(U9-IMODE): length 3.8
  Top w0.16: Rmode4.1 49.59,10.69 51.3,12.4 U9.7
Net-(U9-IPROPI): length 7.8
  Top w0.16: U9.6 50.65,12.27 49.61,11.23 48.59,11.23 48.35,11 48.35,7.65 48.71,7.29 49,7.29
Net-(U9-nFAULT): length 3.9
  Top w0.16: R36.2 46.98,10.69 48.7,12.41 U9.3 U9.4
Net-(U9-PMODE): length 0.9
  Top w0.16: 46.7,19.41 46.84,19.41 U9.16
Net-(U9-VCP): length 1.7
  Top w0.12: C26.1 50,20.11 U9.12
Net-(U10-C1): length 0.9
  Top w0.12: U10.4 37.9,46.01 C30.2
